# Altium PCB FES_V2.5.PcbDoc (part 2 of 2) (continued)
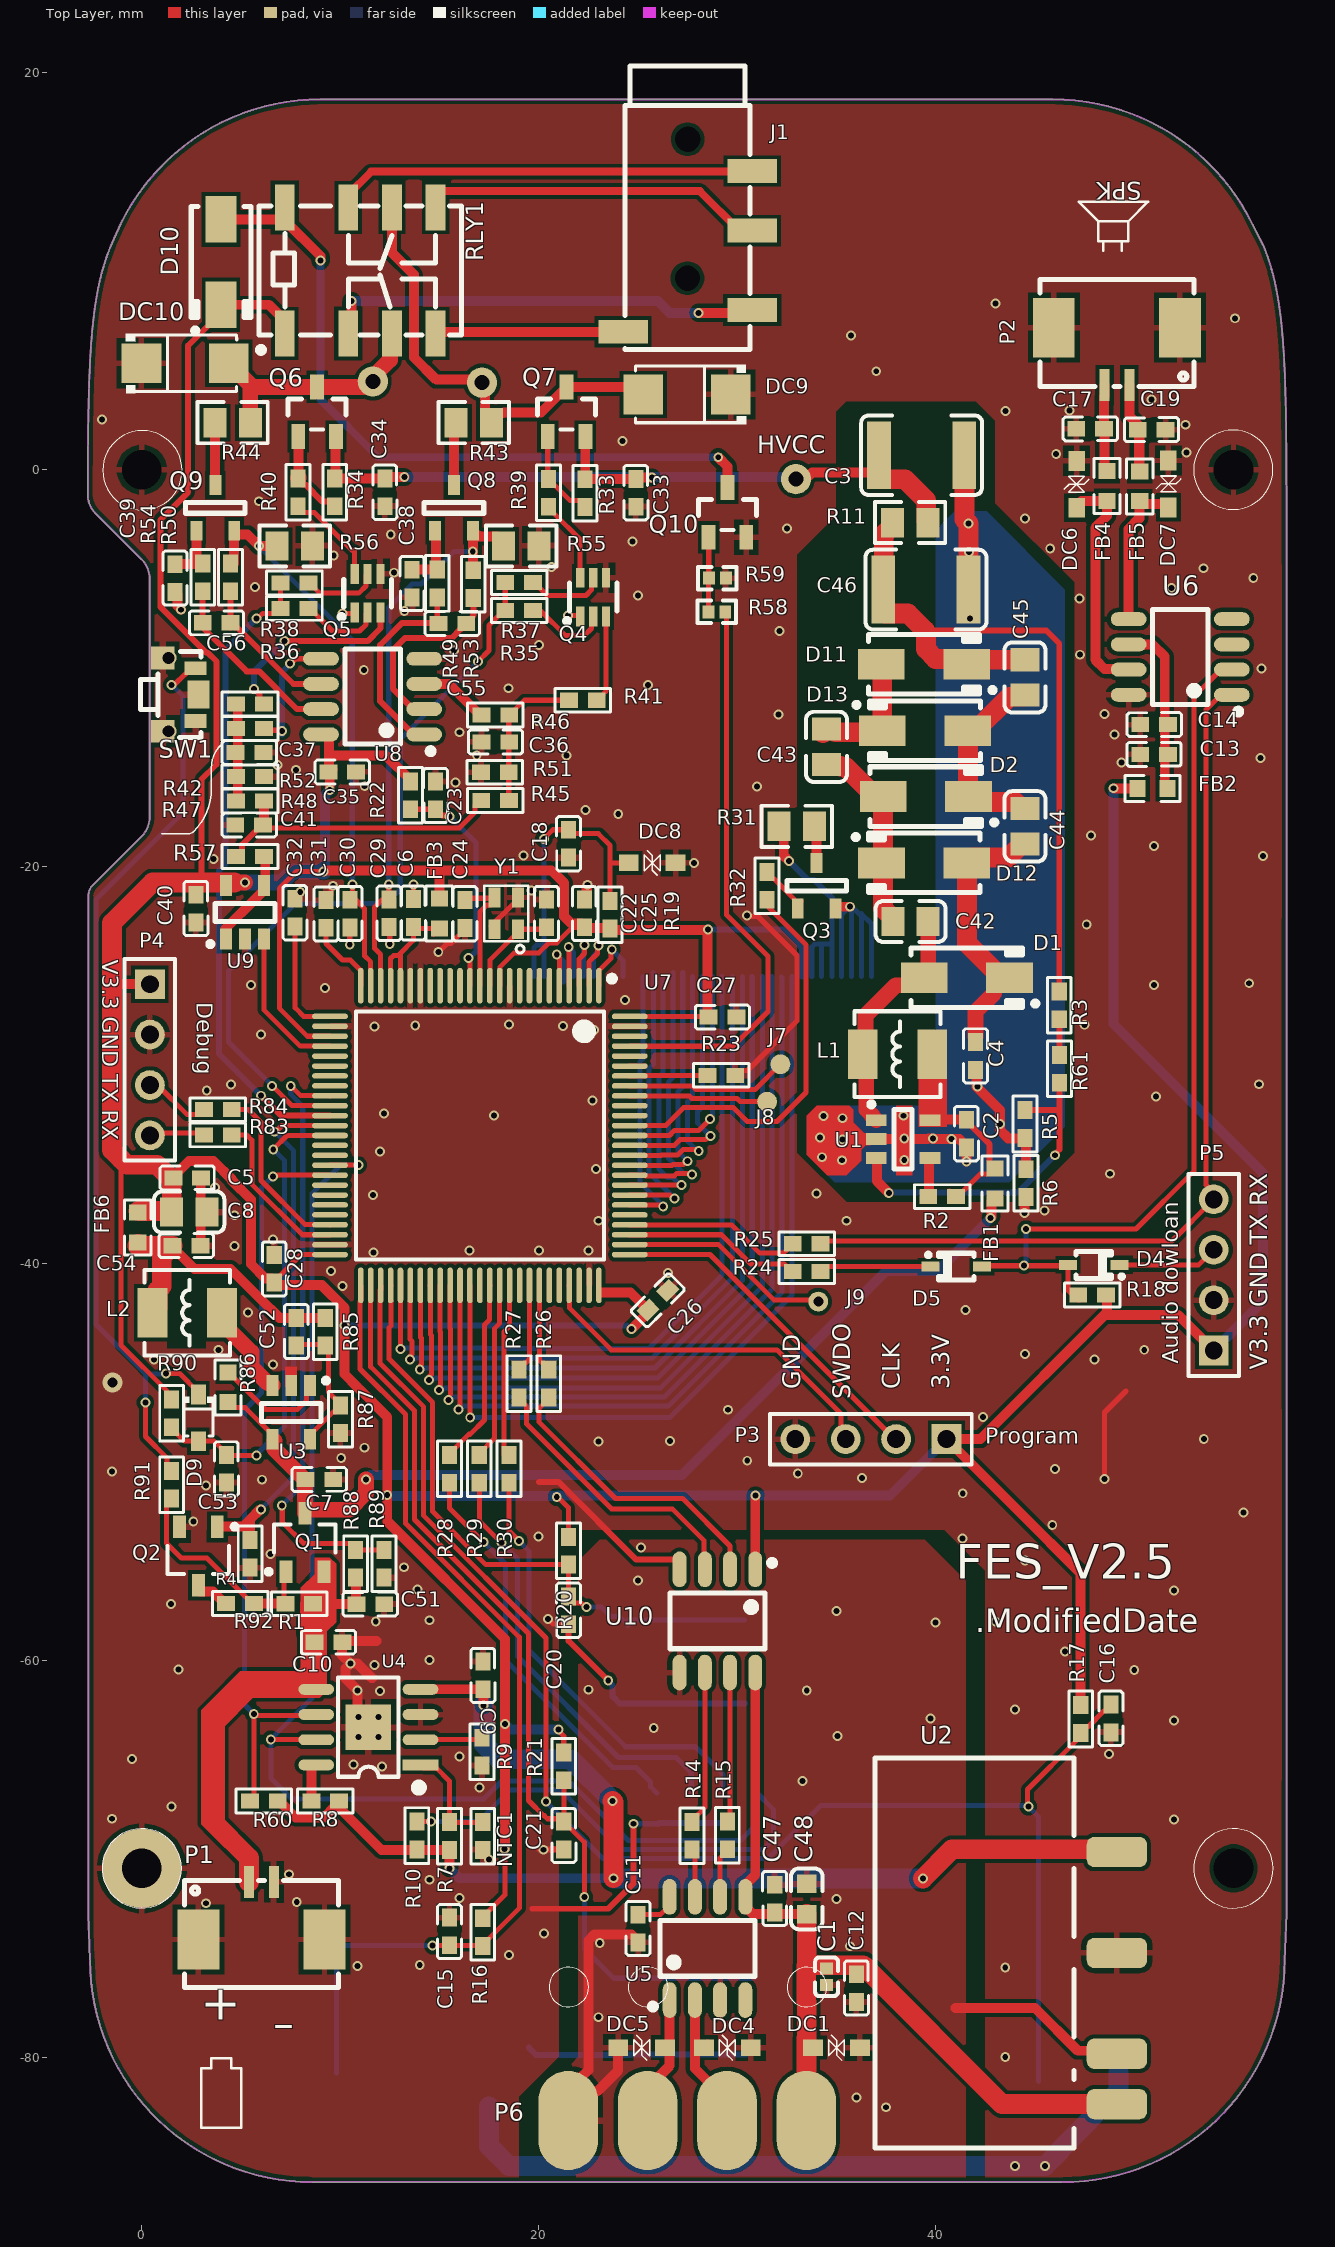
[diagram p0: Top Layer view]
## Nets (pads, with @x,y where several pads share a name; then routed paths per layer and width w, separated by ;. In a path a pad name is that pad's centre, name@x,y a point inside that pad or via, vN(x,y) a via of type N, cw(c..) or ccw(c..) an arc to the next point about the centre after c; other vN are vias at no path point) (continued)
Serial1_TXD: R27.1 U10.3 | length 14.3
  Top Layer w0.254: R27.1@19.003,-46.738 19.003,-46.807 19.386,-47.19 19.386,-48.077 23.66,-52.351 26.728,-52.351 28.313,-53.936 28.313,-55.348 U10.3@28.365,-55.4
Serial3_RXD: P5.4 R25.1 U6.1 | length 47.2
  Top Layer w0.254: R25.1@34.329,-38.862 51.898,-38.862 P5.4@54.003,-36.758 ; P5.4@54.176,-36.585 P5.4@54.003,-36.758 ; U6.1@54.916,-11.339 54.366,-11.339 53.621,-12.084 53.621,-36.038 54.003,-36.421 P5.4@54.003,-36.758
Serial3_TXD: D5.2 R24.1 | length 5.5
  Top Layer w0.254: R24.1@34.312,-40.276 34.44,-40.149 D5.2@39.73,-40.149
Serial4_RXD: P4.4 R83.2 | length 3
  Top Layer w0.254: P4.4@0.287,-33.42 R83.2@3.169,-33.42 ; R83.2@3.044,-33.423 R83.2@3.129,-33.508
Serial4_TXD: P4.3 R84.2 | length 3.5
  Top Layer w0.254: P4.3@0.405,-30.999 0.794,-30.999 2.284,-32.49 R84.2@3.311,-32.49
SPK_3V3: C13.1 C14.2 FB2.2 U6.6 | length 9
  Top Layer w0.5: U6.6@49.716,-8.799 50.919,-8.799 51.535,-9.415 51.535,-12.707 C14.2@51.666,-12.838 ; C13.1@51.666,-14.338 C13.1@51.703,-14.338 ; FB2.2@51.682,-16.055 51.535,-15.908 51.535,-12.969 C14.2@51.666,-12.838 ; C14.2@51.703,-12.838 C14.2@51.666,-12.838
SW: C42.2 D1.1 L1.2 U1.1 | length 12.3
  Top Layer w0.5: D1.1@39.413,-25.596 D1.1@39.621,-25.388
  Top Layer w0.8: U1.1@37.004,-32.771 36.904,-32.671 36.879,-32.671 36.779,-32.571 36.779,-32.511 36.497,-32.228 36.497,-29.616 L1.2@36.321,-29.441 36.469,-29.293 36.469,-27.491 37.989,-25.971 39.038,-25.971 D1.1@39.413,-25.596 ; D1.1@39.621,-25.388 C42.2@39.621,-22.759
SWCLK: P3.2 U7.76 | length 17.3
  Top Layer w0.254: U7.76@24.582,-39.542 28.625,-39.542 37.921,-48.838 P3.2@38.003,-48.838
SWDIO: P3.3 U7.72 | length 18.4
  Top Layer w0.254: U7.72@21.532,-41.092 21.537,-41.097 21.537,-42.225 23.649,-44.338 32.003,-44.338 35.224,-47.559 35.224,-48.599 P3.3@35.463,-48.838
TX1: R14.1 U10.6 | length 7.8
  Top Layer w0.254: R14.1@27.718,-68.121 27.718,-68.052 28.365,-67.405 U10.6@28.365,-60.6
USB-DM: U7.70
USB-DP: U7.71
USB_5V: C1.1 C12.2 C47.1 C48.2 DC1.2 P6.1 U2.1 U5.5 U10.8 | length 44.2
  Top Layer w0.5: U10.8@30.905,-60.6 30.905,-70.796 30.405,-71.296 30.405,-72.396 30.779,-72.77 C48.2@33.5,-72.77
  Top Layer w1: P6.1@33.483,-83.171 33.483,-79.017 33.5,-79 33.5,-77.2 33.472,-77.171 33.472,-75.371 33.5,-75.343 ; C48.2@33.5,-72.77 33.5,-75.343 ; U2.1@49.129,-82.344 43.344,-82.344 36.343,-75.343 33.5,-75.343
VBAT: C10.2 C51.2 P1.1 Q1.2 R1.1 R88.2 U4.5 | length 11.5
  Top Layer w0.5: 3.903,-62.138 4.003,-62.038 ; R1.1@8.633,-57.134 8.645,-57.146 C51.2@10.803,-57.146 ; R88.2@10.774,-55.819 10.794,-55.84 10.794,-57.137 C51.2@10.803,-57.146 ; C51.2@10.814,-57.157 C51.2@10.803,-57.146
  Top Layer w0.8: C10.2@8.708,-59.074 8.689,-59.055 8.658,-59.055 8.658,-58.955 8.366,-58.663 8.366,-57.145 9.169,-56.341 Q1.2@9.169,-55.52
  Top Layer w1: 3.6,-68.135 5.403,-69.938 P1.1@5.403,-71.148
VCC_3.3V: C5.2 C8.2 C25.2 C26.2 C27.2 C28.2 C35.2 C40.2 D10.2 FB2.1 FB3.1 FB6.2 J5.33 P3.1 P4.1 P5.1 R16.2 R17.2 R18.1 R19.2 R20.2 R21.2 R22.2 R90.1 RLY1.1 U7.11 U7.28 U7.50 U7.75 U7.100 U8.8 U9.5 U10.1 | length 327
  Top Layer w0.254: -1.047,-34.723 -1.058,-34.734 -1.058,-44.094 1.249,-46.401 1.249,-46.584 R90.1@1.503,-46.838 ; C28.2@6.675,-40.888 8.021,-39.542 U7.50@9.482,-39.542 ; v1(9.164,-20.24) 7.787,-20.24 6.927,-21.1 6.927,-27.129 8.339,-28.542 U7.28@9.482,-28.542 ; R16.2@17.179,-72.981 17.179,-72.912 18.288,-71.803 18.288,-69.496 v1(18.274,-69.482) ; U7.11@18.032,-25.992 18.037,-25.987 18.037,-25.062 18.761,-24.338 20.003,-24.338 20.511,-23.83 20.909,-23.83 21.683,-23.056 C25.2@22.042,-23.056 ; v1(20.905,-51.758) 20.962,-51.758 21.5,-52.296 R20.2@21.5,-53.764 ; v1(20.993,-63.47) 20.993,-63.531 21.257,-63.795 R21.2@21.257,-64.626 R21.2@21.257,-64.7 ; R21.2@21.228,-64.692 R21.2@21.5,-64.964 ; U7.100@24.582,-27.542 C27.2@28.521,-27.542
  Top Layer w0.3: 3.002,-20.799 3.002,-15.606 3.761,-14.847 3.761,-9.653 3.304,-9.197 3.223,-9.197 0.937,-6.911 0.937,-2.53 2.335,-1.132 2.335,6.258 3.991,7.915 D10.2@3.991,8.315
  Top Layer w0.5: -1.497,-25.919 P4.1@0.405,-25.919 ; C5.2@1.518,-35.677 2.371,-34.824 3.609,-34.824 4.552,-35.768 4.552,-35.824 5.496,-36.768 5.496,-40.018 6.235,-40.757 6.544,-40.757 6.675,-40.888 C28.2@6.675,-40.957 6.675,-41.026 6.731,-41.082 9.068,-41.082 10.221,-42.235 10.221,-43.087 v1(10.201,-43.107) 10.211,-43.116 10.211,-45.564 10.872,-46.225 10.872,-46.238 10.996,-46.362 11.009,-46.362 12.365,-47.718 v1(12.365,-51.656) 12.365,-52.979 18.29,-58.904 18.29,-62.365 18.298,-62.372 18.298,-69.458 v1(18.274,-69.482) ; D10.2@3.991,8.315 6.399,8.315 7.203,7.511 RLY1.1@7.203,6.861 ; U8.8@9.028,-13.333 9.345,-13.333 9.437,-13.425 9.437,-14.399 ; v1(9.164,-20.24) 9.213,-20.191 14.929,-20.191 ; C35.2@9.399,-15.227 9.469,-15.297 v1(9.469,-16.127) ; C35.2@9.437,-14.885 9.437,-14.399 ; C35.2@9.468,-15.227 C35.2@9.599,-15.096 ; R22.2@13.533,-15.705 13.533,-15.636 12.29,-14.393 9.443,-14.393 9.437,-14.399 ; FB3.1@14.989,-21.599 14.989,-20.251 14.929,-20.191 ; U7.75@23.142,-41.446 24.621,-41.446 C26.2@25.508,-42.333 25.508,-42.456 v1(24.664,-43.3) ; R19.2@23.585,-23.119 23.652,-23.187 28.503,-23.187 v1(28.521,-23.169) ; R19.2@23.585,-23.094 22.34,-23.094 C25.2@22.296,-23.05 22.296,-22.981 22.165,-22.85 21.623,-22.85 21.28,-22.506 21.28,-20.826 20.645,-20.191 14.929,-20.191 ; v1@28.47,-23.305 28.503,-23.338 28.503,-27.523 28.521,-27.542 C27.2@28.558,-27.579 ; U10.1@30.905,-55.95 U10.1@30.905,-55.4 30.905,-51.687 v1(30.921,-51.67) ; R17.2@47.302,-62.24 47.302,-55.597 44.172,-52.467 P3.1@40.543,-48.838 42.254,-48.838 48.568,-42.524 ; R18.1@48.582,-41.578 48.634,-41.629 48.634,-42.589 49.961,-42.589 49.972,-42.579 49.982,-42.589 52.214,-42.589 P5.1@54.003,-44.378 ; v1(48.962,-16.047) 48.97,-16.055 FB2.1@50.176,-16.055
  Top Layer w0.8: 4.675,-20.799 v1(5.2,-20.799)
  Top Layer w1: FB6.2@-0.159,-37.338 C8.2@1.003,-37.338 ; C5.2@1.428,-35.677 0.769,-35.018 -0.752,-35.018 -1.047,-34.723 -1.497,-34.273 -1.497,-25.919 -1.497,-22.838 0.541,-20.799 3.002,-20.799 4.675,-20.799 ; C8.2@1.496,-37.4 1.508,-37.388 C5.2@1.508,-35.757
  Bottom Layer w0.254: v1(18.274,-69.482) v1@18.292,-69.464
  Bottom Layer w0.3: v1(10.201,-43.107) 24.416,-43.107 24.61,-43.3 v1(24.664,-43.3) ; v1@28.523,-23.167 32.332,-23.167 33.253,-24.088 J5.33@33.253,-25.535
  Bottom Layer w0.5: v1(9.164,-20.24) 9.236,-20.168 9.236,-16.36 v1(9.469,-16.127) ; v1(12.365,-51.656) 12.41,-51.7 v1@20.934,-51.7 ; v1(18.3,-63.193) 18.577,-63.47 v1(20.993,-63.47) ; v1(20.905,-51.758) 20.977,-51.686 30.921,-51.686 37.695,-51.686 P3.1@40.543,-48.838 ; v1(28.521,-23.169) v1@28.523,-23.167 ; v1(48.962,-16.047) 48.962,-27.928 56.497,-35.463 56.497,-41.884 P5.1@54.003,-44.378
  Bottom Layer w0.8: v1(5.2,-20.799) 7.037,-20.799 7.596,-20.24 v1(9.164,-20.24)
VCC_HV: C3.2 C33.2 C34.2 pad.4@32.954,-0.473 Q6.2 Q7.2 R11.2 R33.1 R34.1 | length 41.2
  Top Layer w0.5: R34.1@9.753,-0.537 9.753,-0.441 9.753,1.643 Q6.2@9.784,1.673 ; R33.1@22.197,-0.275 22.197,-0.35 22.32,-0.473 R33.1@22.336,-0.473 ; Q7.2@22.351,1.673 22.34,1.661 22.34,-0.469 R33.1@22.336,-0.473 ; v1(25.694,-0.387) 24.967,-0.387 C33.2@24.889,-0.465 24.881,-0.473 R33.1@22.336,-0.473
  Top Layer w0.508: R34.1@9.724,-0.441 9.753,-0.441 9.849,-0.441 R34.1@9.753,-0.537 ; R34.1@9.85,-0.441 C34.2@12.176,-0.441 ; C34.2@12.244,-0.441 C34.2@12.176,-0.441 ; v1(13.223,-0.375) 12.243,-0.375 C34.2@12.176,-0.441 ; pad.4@32.954,-0.473 33.149,-0.278 33.624,-0.278 33.76,-0.143 36.794,-0.143 C3.2@37.14,0.203
  Top Layer w1: C3.2@37.14,0.73 37.14,0.203 37.14,-0.38 37.24,-0.48 38.445,-0.48 39.519,-1.554 39.519,-2.587 R11.2@39.599,-2.667
  Bottom Layer w0.5: pad.4@32.617,-0.375 32.705,-0.463 pad.4@32.997,-0.463
  Bottom Layer w0.508: v1(13.223,-0.375) pad.4@32.617,-0.375
VDDA: C6.2 FB3.2 U7.21 U7.22 | length 6.6
  Top Layer w0.254: U7.22@12.532,-25.992 12.532,-24.628 12.681,-24.479 12.909,-24.479 13.032,-24.356 ; U7.21@13.032,-25.992 13.032,-24.356 ; C6.2@13.677,-23.05 13.677,-23.711 13.032,-24.356 ; C6.2@13.677,-23.031 C6.2@13.678,-23.029 13.761,-23.112 FB3.2@14.647,-23.112 ; FB3.2@14.684,-23.411 14.684,-23.382 FB3.2@14.96,-23.106
WR: J5.11 U7.3 | length 3.7
  Top Layer w0.254: U7.3@22.032,-25.992 22.032,-24.646 22.3,-24.377 v1@22.3,-23.955
  Bottom Layer w0.254: J5.11@22.253,-25.535 22.253,-24.067 22.3,-24.02 v1(22.3,-23.953)
pads on no net: J1.1 J1.2@27.49,9.65 J5.1 J5.2 J5.3 J5.4 J5.8 J5.14 U5.4 U6.3 U6.4 U7.6 U7.7 U7.8 U7.9 U7.15 U7.16 U7.17 U7.18 U7.31 U7.32 U7.33 U7.39 U7.40 U7.43 U7.44 U7.45 U7.46 U7.63 U7.67 U7.73 U7.80 U7.90 U7.91 U7.98

## Polygon pours and split planes (outlines as drawn)
GND2 on Bottom Layer "GND2_L02_P004" (solid, remove dead copper, pour order 4): 41.5,-88.964 41.5,-55.964 39.435,-53.899 23.065,-53.899 22,-54.964 22,-79.964 20,-81.964 20,-88.964
GND on Bottom Layer "GND_L02_P009" (solid, remove dead copper, pour order 9): 21,-50.464 21,-79.964 19,-81.964 19,-88.464 1.5,-88.464 -3.5,-83.464 -3.5,-50.464
GND on Bottom Layer "GND_L02_P008" (solid, remove dead copper, pour order 8): 40,-51.964 40,-52.964 42.5,-55.464 42.5,-88.964 43.5,-89.964 56,-89.964 58.5,-87.464 58.5,-51.964
GND on Bottom Layer "GND_L02_P000" (solid, remove dead copper, pour order 0): -2.697,18.665 58.597,18.665 58.597,-53.414 -2.93,-53.414
GND3 on Bottom Layer "Bottom Layer-GND2" (solid, remove dead copper, pour order 3): 32.015,-40.847 31.92,-40.847 33.65,-39.118 33.65,-39.302 32.06,-40.892
GND on Top Layer "GND_L01_P006" (solid, remove dead copper, pour order 6): 21,-50.464 21,-79.964 19,-81.964 19,-88.464 1.5,-88.464 -3.5,-83.464 -3.5,-50.464
GND2 on Top Layer "GND2_L01_P005" (solid, remove dead copper, pour order 5): 41.5,-88.964 41.5,-55.964 39.435,-53.899 23.065,-53.899 22,-54.964 22,-79.964 20,-81.964 20,-88.964
GND on Top Layer "GND_L01_P001" (solid, remove dead copper, pour order 1): -2.722,18.665 59.728,18.665 59.728,-53.414 -2.715,-53.414
GND on Top Layer "GND_L01_P007" (solid, remove dead copper, pour order 7): 40,-51.964 40,-52.964 42.5,-55.464 42.5,-88.964 43.5,-89.964 56,-89.964 58.5,-87.464 58.5,-51.964

## Keep-outs
Keep-Out Layer:
  lines w0.1: -2.695,-21.474 cw(c-1.927,-21.474) -2.47,-20.93 -0.003,-18.463 ccw(c-0.96,-17.506) 0.393,-17.506 0.393,-13.545 0.393,-8.355 0.393,-5.482 ; -2.692,-72.818 -2.69,-72.901 -2.688,-72.984 -2.687,-73.066 -2.685,-73.148 -2.683,-73.229 -2.681,-73.31 -2.68,-73.39 -2.678,-73.47 -2.676,-73.549 -2.674,-73.628 ; -2.689,-72.816 -2.689,-21.474 ; -2.673,-73.667 -2.613,-75.082 ; -2.609,-75.085 ccw(c8.585,-75.079) 8.585,-86.273 ; 0.393,-5.479 ccw(c-0.96,-5.479) -0.003,-4.522 -2.348,-2.178 cw(c-1.45,-1.28) -2.72,-1.28 -2.72,-0.213 -2.72,-0.111 -2.719,-0.01 -2.719,0.09 -2.718,0.19 -2.718,0.289 -2.717,0.387 -2.717,0.485 -2.716,0.583 -2.715,0.68 -2.715,0.776 -2.714,0.872 -2.713,0.967 -2.713,1.062 -2.712,1.156 -2.711,1.249 -2.71,1.342 -2.709,1.435 -2.709,1.527 -2.708,1.618 -2.707,1.709 -2.706,1.799 -2.705,1.889 -2.704,1.979 -2.702,2.067 -2.701,2.156 -2.7,2.243 -2.699,2.33 -2.698,2.417 -2.696,2.503 -2.695,2.589 -2.694,2.674 -2.692,2.759 -2.691,2.843 -2.689,2.927 -2.688,3.01 -2.686,3.092 -2.684,3.175 -2.683,3.256 -2.681,3.337 -2.679,3.418 -2.677,3.498 -2.675,3.578 -2.673,3.657 -2.671,3.736 -2.669,3.814 -2.667,3.892 -2.665,3.97 -2.663,4.047 -2.661,4.123 -2.658,4.199 -2.656,4.275 -2.653,4.35 -2.651,4.424 -2.648,4.498 -2.646,4.572 -2.643,4.645 -2.64,4.718 -2.637,4.791 -2.634,4.863 -2.631,4.934 -2.628,5.005 -2.625,5.076 -2.622,5.146 -2.619,5.216 -2.616,5.285 -2.612,5.354 -2.609,5.423 -2.605,5.491 -2.602,5.558 -2.598,5.626 -2.594,5.693 -2.591,5.759 -2.587,5.825 -2.583,5.891 -2.579,5.956 -2.575,6.021 -2.571,6.085 -2.566,6.149 -2.562,6.213 -2.558,6.276 -2.553,6.339 -2.549,6.402 -2.544,6.464 -2.539,6.526 -2.535,6.587 -2.53,6.648 -2.525,6.709 -2.52,6.769 -2.515,6.829 -2.509,6.889 -2.504,6.948 -2.499,7.007 -2.493,7.065 -2.488,7.123 -2.482,7.181 -2.476,7.239 -2.471,7.296 -2.465,7.353 -2.459,7.409 -2.453,7.465 -2.446,7.521 -2.44,7.576 -2.434,7.632 -2.427,7.686 -2.421,7.741 -2.414,7.795 -2.408,7.849 -2.401,7.902 -2.394,7.956 -2.387,8.008 -2.38,8.061 -2.373,8.113 -2.365,8.165 -2.358,8.217 -2.35,8.268 -2.343,8.32 -2.335,8.37 -2.327,8.421 -2.32,8.471 -2.312,8.521 -2.303,8.571 -2.295,8.62 -2.287,8.67 -2.279,8.718 -2.27,8.767 -2.262,8.815 -2.253,8.863 -2.244,8.911 -2.235,8.959 -2.226,9.006 -2.217,9.053 -2.208,9.1 -2.199,9.147 -2.189,9.193 -2.18,9.239 -2.17,9.285 -2.16,9.331 -2.15,9.376 -2.14,9.421 -2.13,9.466 -2.12,9.511 -2.11,9.555 -2.099,9.6 -2.089,9.644 -2.078,9.687 -2.067,9.731 -2.057,9.775 -2.045,9.818 -2.023,9.904 -2,9.989 -1.977,10.074 -1.953,10.158 -1.929,10.241 -1.904,10.323 -1.878,10.405 -1.839,10.527 -1.799,10.648 cw(c8.13,7.268) -1.641,11.082 cw(c8.182,7.247) -1.498,11.429 -1.068,12.378 cw(c8.992,7.471) 8.986,18.665 ; 8.595,-86.273 46.376,-86.273 ; 8.975,18.665 45.891,18.665 ; 45.885,18.665 cw(c45.885,7.471) 55.972,12.325 56.48,11.352 cw(c46.808,7.264) 56.649,10.925 cw(c46.804,7.263) 56.734,10.688 56.775,10.568 56.814,10.446 56.84,10.364 56.865,10.282 56.89,10.199 56.914,10.116 56.938,10.032 56.961,9.947 56.983,9.861 56.994,9.818 57.005,9.775 57.016,9.731 57.027,9.687 57.038,9.644 57.048,9.6 57.059,9.555 57.069,9.511 57.079,9.466 57.089,9.421 57.099,9.376 57.109,9.331 57.119,9.285 57.129,9.239 57.138,9.193 57.147,9.147 57.157,9.1 57.166,9.053 57.175,9.006 57.184,8.959 57.193,8.911 57.202,8.863 57.21,8.815 57.219,8.767 57.228,8.718 57.236,8.67 57.244,8.62 57.252,8.571 57.26,8.521 57.268,8.471 57.276,8.421 57.284,8.37 57.292,8.32 57.299,8.268 57.307,8.217 57.314,8.165 57.321,8.113 57.329,8.061 57.336,8.008 57.343,7.956 57.35,7.902 57.356,7.849 57.363,7.795 57.37,7.741 57.376,7.686 57.383,7.632 57.389,7.576 57.395,7.521 57.402,7.465 57.408,7.409 57.414,7.353 57.419,7.296 57.425,7.239 57.431,7.181 57.437,7.123 57.442,7.065 57.448,7.007 57.453,6.948 57.458,6.889 57.464,6.829 57.469,6.769 57.474,6.709 57.479,6.648 57.484,6.587 57.488,6.526 57.493,6.464 57.498,6.402 57.502,6.339 57.507,6.276 57.511,6.213 57.515,6.149 57.52,6.085 57.524,6.021 57.528,5.956 57.532,5.891 57.536,5.825 57.54,5.759 57.543,5.693 57.547,5.626 57.551,5.558 57.554,5.491 57.558,5.423 57.561,5.354 57.565,5.285 57.568,5.216 57.571,5.146 57.574,5.076 57.577,5.005 57.58,4.934 57.583,4.863 57.586,4.791 57.589,4.718 57.592,4.645 57.594,4.572 57.597,4.498 57.6,4.424 57.602,4.35 57.605,4.275 57.607,4.199 57.609,4.123 57.612,4.047 57.614,3.97 57.616,3.892 57.618,3.814 57.62,3.736 57.622,3.657 57.624,3.578 57.626,3.498 57.628,3.418 57.63,3.337 57.632,3.256 57.633,3.175 57.635,3.092 57.637,3.01 57.638,2.927 57.64,2.843 57.641,2.759 57.643,2.674 57.644,2.589 57.645,2.503 57.647,2.417 57.648,2.33 57.649,2.243 57.65,2.156 57.651,2.067 57.652,1.979 57.654,1.889 57.655,1.799 57.656,1.709 57.656,1.618 57.657,1.527 57.658,1.435 57.659,1.342 57.66,1.249 57.661,1.156 57.661,1.062 57.662,0.967 57.663,0.872 57.664,0.776 57.664,0.68 57.665,0.583 57.665,0.485 57.666,0.387 57.667,0.289 57.667,0.19 57.668,0.09 57.668,-0.01 57.668,-0.111 57.669,-0.213 57.669,-0.315 57.67,-0.417 57.67,-0.521 57.67,-0.624 57.671,-0.729 57.671,-0.834 57.671,-0.939 57.672,-1.045 57.672,-1.152 57.672,-1.26 57.672,-1.368 57.673,-1.476 57.673,-1.585 57.673,-1.695 57.673,-1.806 57.673,-1.917 57.674,-2.028 57.674,-2.141 57.674,-2.254 57.674,-2.367 57.674,-2.481 57.675,-2.596 57.675,-2.711 57.675,-2.828 57.675,-2.944 57.675,-3.062 57.675,-3.179 57.675,-3.298 57.676,-3.417 57.676,-3.537 57.676,-3.657 57.676,-3.778 57.676,-3.9 57.676,-4.022 57.676,-4.145 57.677,-4.268 57.677,-4.392 57.677,-4.517 57.677,-4.642 57.677,-4.768 57.677,-4.894 57.677,-5.021 57.677,-5.148 57.677,-5.276 57.677,-5.405 57.678,-5.534 57.678,-5.663 57.678,-5.794 57.678,-5.924 57.678,-6.056 57.678,-6.188 57.678,-6.32 57.678,-6.453 57.678,-6.586 57.678,-6.72 57.678,-6.855 57.678,-6.99 57.679,-7.125 57.679,-7.262 57.679,-7.398 57.679,-7.535 57.679,-7.673 57.679,-7.811 57.679,-7.95 57.679,-8.089 57.679,-8.229 57.679,-8.369 57.679,-8.509 57.679,-8.65 57.679,-8.792 57.679,-8.934 57.679,-9.077 57.679,-9.22 57.679,-9.363 57.679,-9.507 57.679,-9.651 57.679,-9.796 57.679,-9.942 57.679,-10.088 57.679,-10.234 57.679,-10.38 57.679,-10.528 57.679,-10.675 57.679,-10.823 57.679,-10.972 57.679,-11.121 57.679,-11.27 57.679,-11.42 57.679,-11.57 57.679,-11.721 57.679,-11.872 57.679,-12.023 57.679,-12.175 57.679,-12.327 57.679,-12.48 57.679,-12.633 57.679,-12.787 57.679,-12.94 57.679,-13.095 57.679,-13.249 57.679,-13.404 57.679,-13.56 57.679,-13.716 57.679,-13.872 57.679,-14.029 57.679,-14.185 57.679,-14.343 57.679,-14.501 57.679,-14.659 57.679,-14.817 57.679,-14.976 57.679,-15.135 57.679,-15.294 57.679,-15.454 57.679,-15.614 57.679,-15.775 57.679,-15.936 57.679,-16.097 57.679,-16.259 57.679,-16.42 57.679,-16.583 57.679,-16.745 57.679,-16.908 57.679,-17.071 57.679,-17.235 57.679,-17.398 57.679,-17.563 57.679,-17.727 57.678,-17.892 57.678,-18.057 57.678,-18.222 57.678,-18.388 57.678,-18.554 57.678,-18.72 57.678,-18.886 57.678,-19.053 57.678,-19.22 57.678,-19.387 57.678,-19.555 57.678,-19.723 57.678,-19.891 57.678,-20.059 57.678,-20.228 57.678,-20.397 57.678,-20.566 57.678,-20.735 57.678,-20.905 57.678,-21.075 57.677,-21.245 57.677,-21.415 57.677,-21.586 57.677,-21.757 57.677,-21.928 57.677,-22.099 57.677,-22.27 57.677,-22.442 57.677,-22.614 57.677,-22.786 57.677,-22.959 57.677,-23.131 57.677,-23.304 57.677,-23.477 57.677,-23.65 57.677,-23.824 57.677,-23.997 57.677,-24.171 57.676,-24.345 57.676,-24.519 57.676,-24.693 57.676,-24.868 57.676,-25.043 57.676,-25.217 57.676,-25.392 57.676,-25.568 57.676,-25.743 57.676,-25.918 57.676,-26.094 57.676,-26.27 57.676,-26.446 57.676,-26.622 57.676,-26.798 57.676,-26.974 57.676,-27.151 57.676,-27.328 57.676,-27.504 57.676,-27.681 57.675,-27.858 57.675,-28.035 57.675,-28.213 57.675,-28.39 57.675,-28.568 57.675,-28.745 57.675,-28.923 57.675,-29.101 57.675,-29.279 57.675,-29.457 57.675,-29.635 57.675,-29.813 57.675,-29.991 57.675,-30.17 57.675,-30.348 57.675,-30.527 57.675,-30.705 57.675,-30.884 57.675,-31.063 57.675,-31.241 57.675,-31.42 57.675,-31.599 57.675,-31.778 57.675,-31.957 57.675,-32.136 57.675,-32.316 57.675,-32.495 57.675,-32.674 57.675,-32.853 57.675,-33.033 57.675,-33.212 57.675,-33.391 57.674,-33.571 57.674,-33.75 57.674,-33.93 57.674,-34.109 57.674,-34.288 57.674,-34.468 57.674,-34.647 57.674,-35.006 57.674,-35.186 57.674,-35.365 57.674,-35.545 57.674,-35.724 57.674,-35.904 57.674,-36.083 57.674,-36.263 57.675,-36.442 57.675,-36.621 57.675,-36.801 57.675,-36.98 57.675,-37.159 57.675,-37.339 57.675,-37.518 57.675,-37.697 57.675,-37.876 57.675,-38.055 57.675,-38.234 57.675,-38.413 57.675,-38.592 57.675,-38.771 57.675,-38.949 57.675,-39.128 57.675,-39.307 57.675,-39.485 57.675,-39.664 57.675,-39.842 57.675,-40.02 57.675,-40.199 57.675,-40.377 57.675,-40.555 57.675,-40.733 57.675,-40.91 57.675,-41.088 57.675,-41.266 57.675,-41.443 57.675,-41.621 57.675,-41.798 57.675,-41.975 57.676,-42.152 57.676,-42.329 57.676,-42.506 57.676,-42.683 57.676,-42.859 57.676,-43.035 57.676,-43.212 57.676,-43.388 57.676,-43.564 57.676,-43.74 57.676,-43.915 57.676,-44.091 57.676,-44.266 57.676,-44.441 57.676,-44.616 57.676,-44.791 57.676,-44.966 57.676,-45.14 57.676,-45.315 57.676,-45.489 57.677,-45.663 57.677,-45.836 57.677,-46.01 57.677,-46.183 57.677,-46.357 57.677,-46.53 57.677,-46.702 57.677,-46.875 57.677,-47.047 57.677,-47.22 57.677,-47.392 57.677,-47.563 57.677,-47.735 57.677,-47.906 57.677,-48.077 57.677,-48.248 57.677,-48.419 57.677,-48.589 57.678,-48.759 57.678,-48.929 57.678,-49.099 57.678,-49.268 57.678,-49.437 57.678,-49.606 57.678,-49.775 57.678,-49.943 57.678,-50.111 57.678,-50.279 57.678,-50.447 57.678,-50.614 57.678,-50.781 57.678,-50.948 57.678,-51.114 57.678,-51.281 57.678,-51.447 57.678,-51.612 57.678,-51.777 57.678,-51.943 57.679,-52.107 57.679,-52.272 57.679,-52.436 57.679,-52.6 57.679,-52.763 57.679,-52.926 57.679,-53.089 57.679,-53.252 57.679,-53.414 57.679,-53.576 57.679,-53.737 57.679,-53.899 57.679,-54.059 57.679,-54.22 57.679,-54.38 57.679,-54.54 57.679,-54.7 57.679,-54.859 57.679,-55.018 ; 46.384,-86.275 ccw(c46.384,-75.081) 57.578,-75.087 ; 57.581,-75.115 57.677,-72.743 57.677,-66.038 57.679,-66.038 57.679,-55.038

## Other copper
Top Layer:
  rectangle net NetC2_1: 39.128,-33.103 40.555,-30.143
  rectangle net GND3: 37.987,-35.551 38.828,-32.041
  rectangle net GND: 7.212,-46.214 7.83,-45.189
  region net GND3: 36.746,-33.42 36.385,-33.42 35.836,-32.871 35.836,-32.24 35.634,-32.038 34.01,-32.038 33.503,-32.545 33.503,-34.5 34.54,-35.538 35.503,-35.538 36.239,-34.801 36.239,-34.254 36.468,-34.026 36.7,-34.026 37.106,-33.619
  region net VBAT: 4.172,-69.414 3.003,-68.245 3.003,-62.487 3.663,-61.827 4.172,-62.336
  pour cut-out: 34.964,-2.315 34.964,2.924 35.503,3.462 42.003,3.462 43.003,2.462 43.003,-2.038
  pour cut-out: 33.003,-4.277 36.925,-0.354 41.682,-0.354 47.003,-5.675 47.003,-34.4 44.486,-36.917 35.52,-36.917 33.003,-34.4
  region net VBAT: 3.663,-61.827 4.956,-60.534 6.003,-60.534 6.003,-61.473 3.663,-63.813
  pour cut-out: 1.266,-44.287 1.266,-44.097 1.266,-40.861 3.237,-40.861 3.237,-40.965 3.235,-41.112 3.235,-44.287
  region net VBAT: 5.003,-61.045 5.51,-60.538 7.803,-60.538 8.003,-60.338 8.003,-56.338 8.703,-55.638 8.703,-54.804 9.469,-54.804 9.784,-55.119 9.784,-58.056 9.314,-58.526 9.314,-61.526 8.976,-61.865 5.003,-61.865
  pour cut-out: 39.051,-27.65 39.051,-27.84 39.051,-31.076 37.08,-31.076 37.08,-30.972 37.082,-30.825 37.082,-27.65
Bottom Layer:
  region net GND3: 41.336,-30.204 39.503,-32.038 34.01,-32.038 33.503,-32.545 33.503,-34.5 34.906,-35.904 39.911,-35.904
  region net GND3: 39.003,-35.904 43.701,-35.904 46.503,-33.102 46.503,-6.038 42.561,-2.096 40.945,-2.096 40.003,-3.038 40.003,-32.538 39.003,-33.538
  pour cut-out: 1.286,-44.281 1.286,-44.091 1.286,-40.855 3.257,-40.855 3.257,-40.966 3.255,-41.106 3.255,-44.281
  pour cut-out: 39.041,-27.636 39.041,-27.827 39.041,-31.063 37.07,-31.063 37.07,-30.952 37.073,-30.811 37.073,-27.636

## Silkscreen, mask and mechanical layers (free items; w line width, h text height)
Top Overlay:
  circle w0.013: c55,-70.464 r2
  circle w0.05: c0,-70.462 r2
  circle w0.013: c21.512,-76.444 r1
  circle w0.013: c25.512,-76.444 r1
  circle w0.013: c33.512,-76.444 r1
  lines w0.013: -1.969,-0.03 ccw(c0.031,-0.03) 2.031,-0.03 ccw(c0.031,-0.03) -1.969,-0.03 ; 52.988,0 ccw(c54.988,0) 56.988,0 ccw(c54.988,0) 52.988,0
  lines w0.076: 1.003,-18.338 2.359,-18.338 ccw(c2.359,-17.99) 2.605,-18.236 ccw(c0.437,-16.068) 3.503,-16.068 3.503,-15.037 cw(c5.19,-15.037) 3.997,-13.844
  lines w0.127: 48.442,11.03 48.442,11.495 ; 49.36,11.521 49.373,11.508 49.373,11.03 ; 48.196,12.51 47.196,13.51 50.696,13.51 49.696,12.51 ; 48.196,12.51 49.696,12.51 ; 48.196,12.51 48.196,11.51 49.696,11.51 49.696,12.51 ; 3.003,-83.538 5.003,-83.538 5.003,-80.538 4.503,-80.538 4.503,-80.038 4.003,-80.038 3.503,-80.038 3.503,-80.538 3.003,-80.538 3.003,-83.538
  text "SPK" at 50.373,14.798 h1.5 r180
  text "HVCC" at 30.997,0.537 h1.5
  text "V3.3 GND TX RX" at -2.259,-24.682 h1.4 r270
  text "Debug" at 2.503,-26.838 h1.4 r270
  text "Audio dowloan" at 52.503,-45.038 h1.4 r90
  text "V3.3 GND TX RX" at 57.003,-45.338 h1.52 r90
  text "GND" at 33.487,-46.338 h1.52 r90
  text "CLK" at 38.487,-46.338 h1.52 r90
  text "3.3V" at 40.986,-46.338 h1.52 r90
  text "SWDO" at 35.987,-46.838 h1.52 r90
  text "Program" at 42.503,-49.338 h1.4
  text "FES_V2.5" at 41,-56.464 h3
  text ".ModifiedDate" at 42,-58.964 h2
  text "-" at 7.738,-76.861 h4 r180
  text "+" at 5.32,-78.355 h3 r90
Bottom Overlay:
  lines w0.076: 2.555,-55.137 52.555,-55.137 52.555,14.063 2.555,14.063 ; 2.558,-55.141 2.558,14.059 ; 24.953,-75.288 24.953,-80.388 30.053,-80.388 30.053,-75.288 ; 26.503,-77.838 ccw(c27.503,-77.838) 27.503,-78.838 ; 27.645,-58.091 ccw(c27.498,-60.122) 27.503,-58.086 ccw(c27.498,-60.129) 27.325,-58.093 ccw(c27.497,-60.122) 27.009,-58.145 ccw(c27.501,-60.13) 26.421,-58.394 ccw(c27.507,-60.138) 26.159,-58.587 ccw(c27.522,-60.155) 25.926,-58.825 ccw(c27.506,-60.143) 25.694,-59.168 ccw(c27.489,-60.132) 25.539,-59.541 ccw(c27.504,-60.137) 25.462,-59.93 ccw(c27.515,-60.138) 25.459,-60.323 ccw(c27.515,-60.137) 25.532,-60.71 ccw(c27.504,-60.141) 25.679,-61.079 ccw(c27.49,-60.147) 25.897,-61.417 ccw(c27.503,-60.136) 26.187,-61.714 ccw(c27.504,-60.135) 26.531,-61.946 ccw(c27.495,-60.15) 26.903,-62.1 ccw(c27.499,-60.136) 27.292,-62.178 ccw(c27.5,-60.126) 27.503,-62.189 ccw(c27.5,-60.125) 27.686,-62.18 ccw(c27.5,-60.125) 28.073,-62.108 ccw(c27.503,-60.136) 28.441,-61.962 ccw(c27.51,-60.149) 28.78,-61.743 ccw(c27.497,-60.135) 29.076,-61.453 ; 27.818,-58.558 ccw(c27.498,-60.132) 27.503,-58.526 ccw(c27.498,-60.12) 27.435,-58.527 ccw(c27.499,-60.125) 27.061,-58.587 ccw(c27.501,-60.13) 26.63,-58.783 ccw(c27.516,-60.149) 26.264,-59.107 ccw(c27.507,-60.144) 26.082,-59.377 ccw(c27.488,-60.132) 25.96,-59.669 ccw(c27.5,-60.135) 25.899,-59.974 ccw(c27.519,-60.137) 25.898,-60.284 ccw(c27.518,-60.137) 25.955,-60.588 ccw(c27.501,-60.142) 26.069,-60.877 ccw(c27.49,-60.147) 26.241,-61.143 ccw(c27.504,-60.135) 26.469,-61.376 ccw(c27.505,-60.135) 26.739,-61.558 ccw(c27.495,-60.151) 27.032,-61.68 ccw(c27.498,-60.14) 27.337,-61.741 ccw(c27.499,-60.126) 27.503,-61.749 ccw(c27.499,-60.119) 27.646,-61.742 ccw(c27.5,-60.122) 27.95,-61.685 ccw(c27.505,-60.14) 28.24,-61.571 ; 45.668,-80.388 45.668,-75.288 50.768,-75.288 50.768,-80.388 ; 24.953,-62.687 24.953,-57.587 30.053,-57.587 30.053,-62.687 24.953,-62.687 ; 26.503,-60.038 cw(c27.503,-60.038) 27.503,-59.038 cw(c27.503,-60.038) 28.503,-60.038 cw(c27.503,-60.038) 27.503,-61.038 cw(c27.503,-60.038) 26.503,-60.038 ; 49.803,11.369 ccw(c50.803,11.369) 50.803,10.369 ccw(c50.803,11.369) 51.803,11.369 ccw(c50.803,11.369) 50.803,12.369 ccw(c50.803,11.369) 49.803,11.369

## Dimensions
0,0 to 55,0 on Drill Drawing